# Allegro board buddy_lay_rev1.brd (continued)
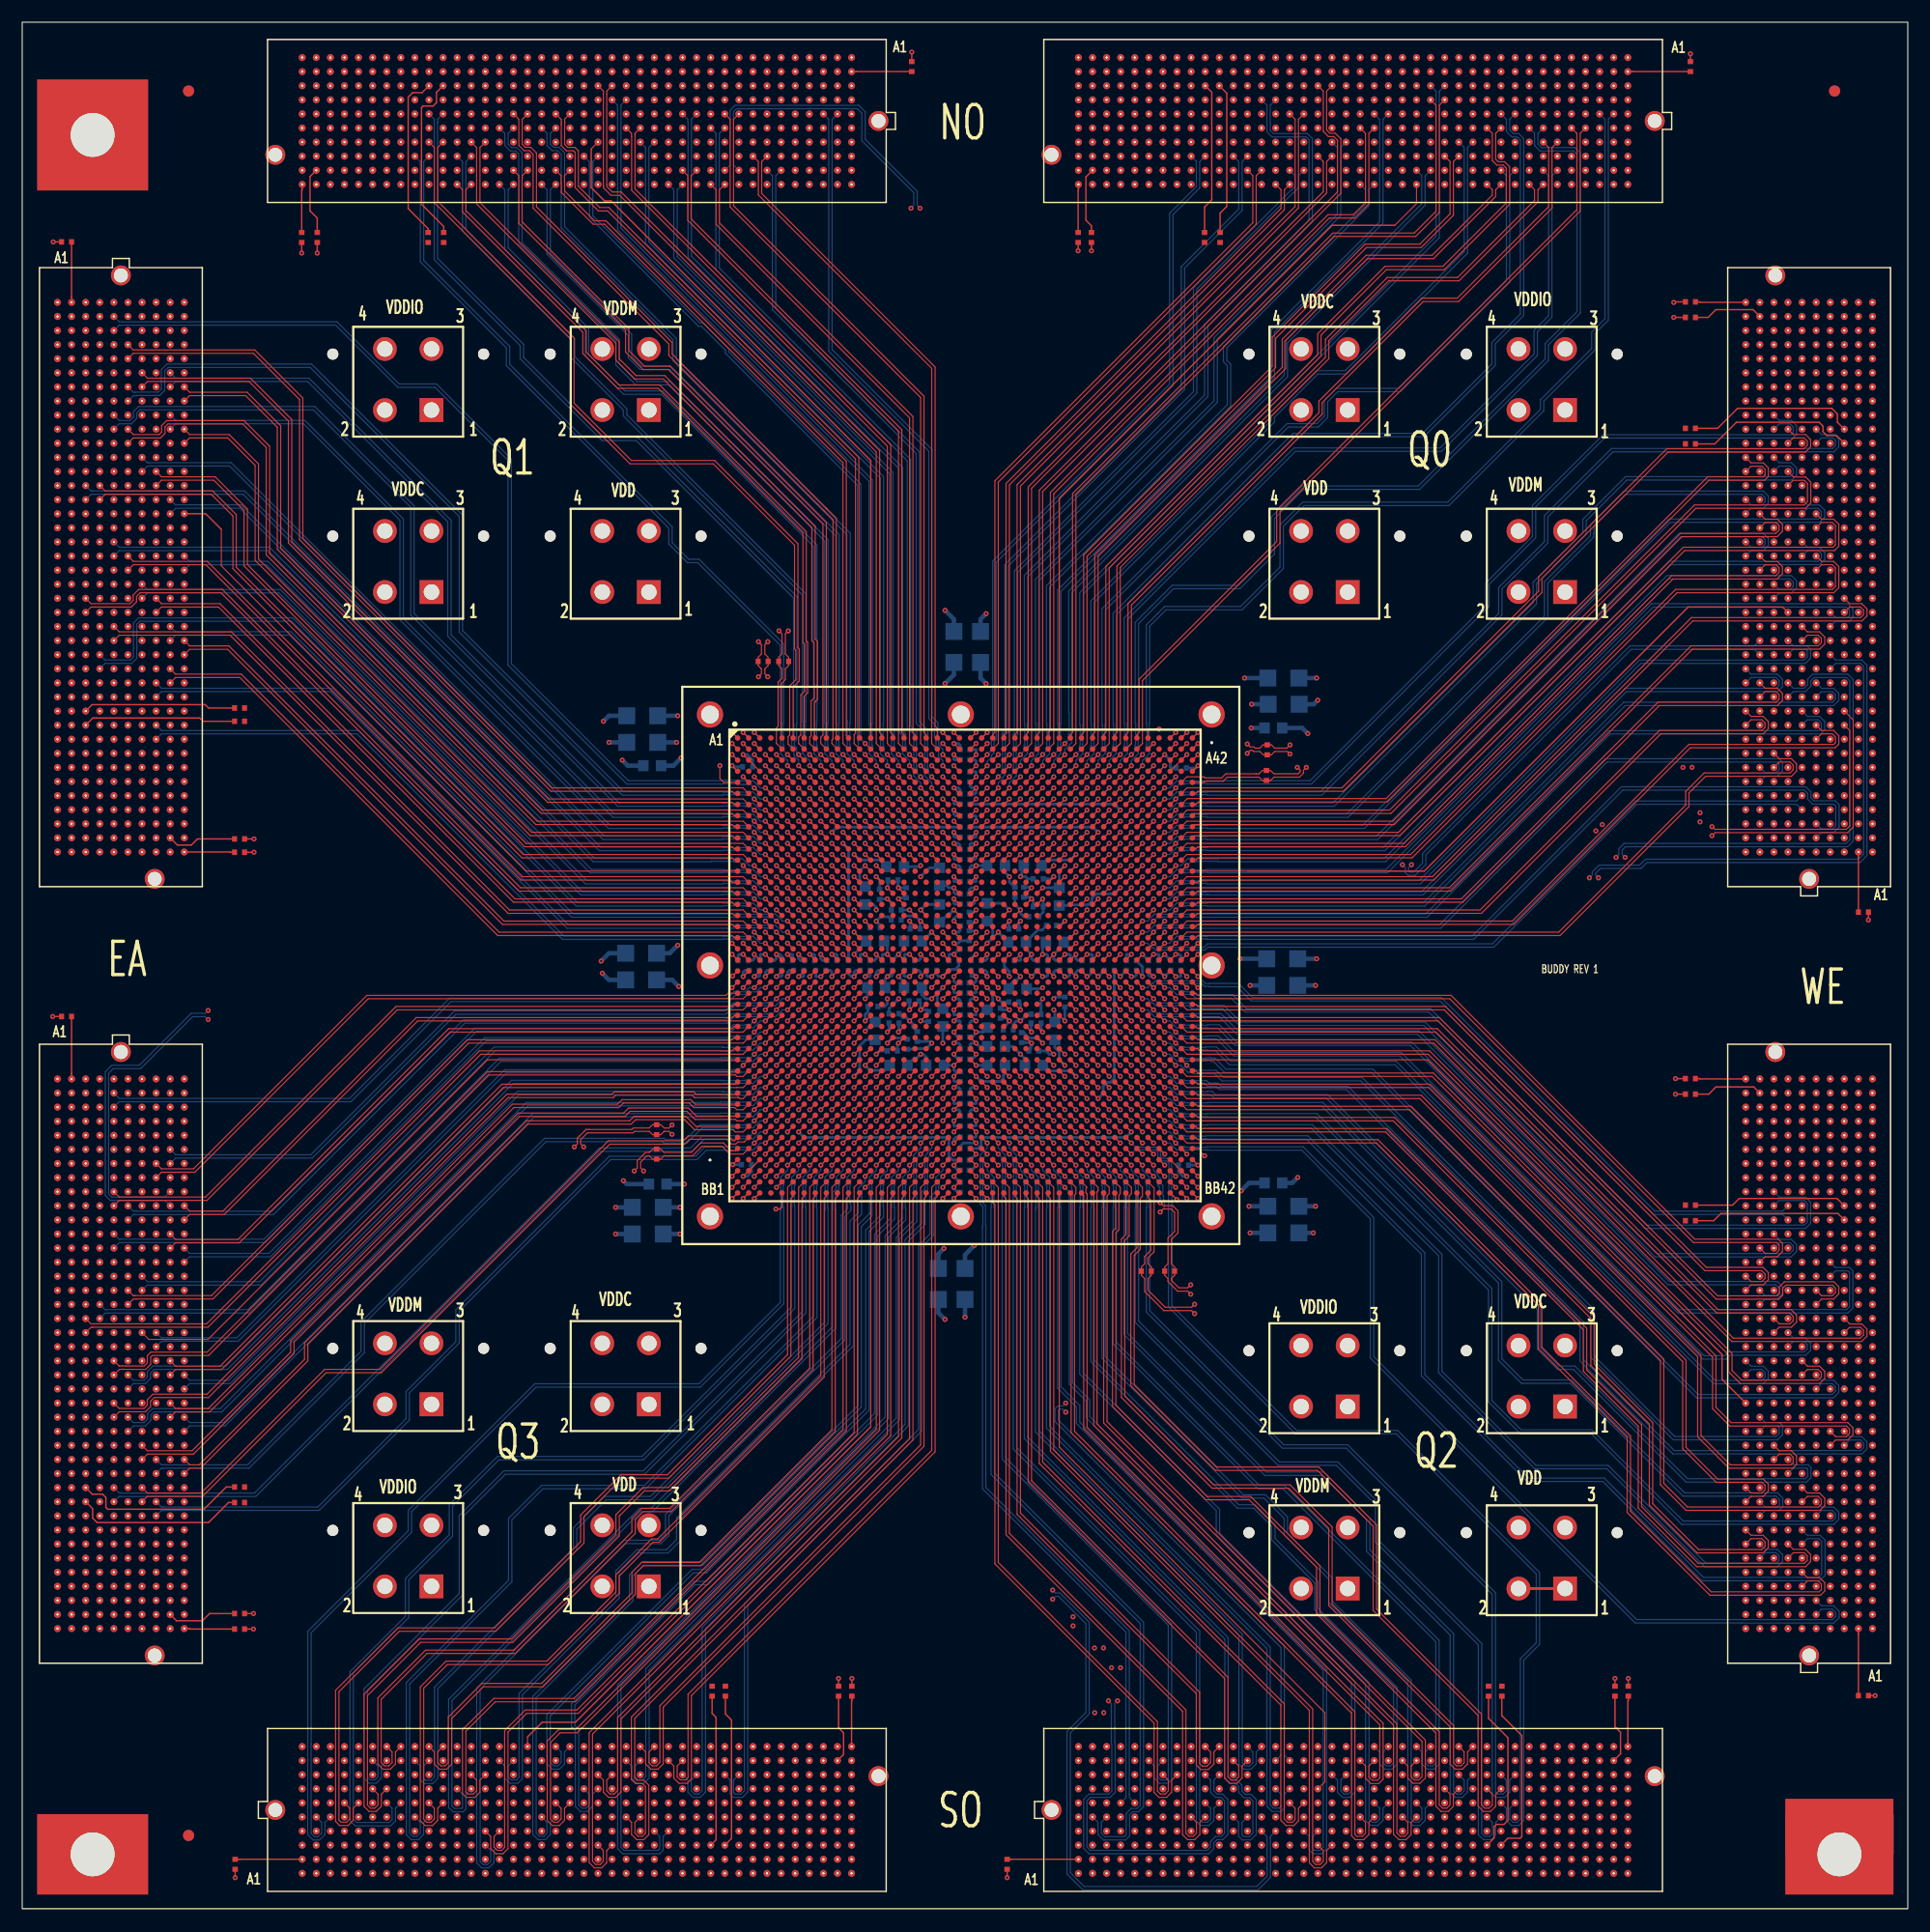
[diagram p0: board, top side]
## Routing (per net, layer and track width the routed paths; a pad name or vN(x,y) marks a point on that pad's centre or on a via; arc(x,y) is an arc through that point) (continued)
  GND_L4 w0.254: 26.51,9.06 J6.F2 ; J6.F2 26.51,10.01 ; J6.F2 26.04,9.54 ; J6.F2 26.99,9.54 ; 114.06,118.65 J15.2 ; J15.2 116.54,118.65 ; J15.2 115.3,119.89 ; J15.2 115.3,117.41 ; 73.5,14.62 73.98,14.62 ; 73.5,14.62 73.5,15.09 ; 73.5,14.62 73.5,14.14 ; 73.5,14.62 73.03,14.62 ; J3.F21 160.94,120.63 ; J3.F21 159.99,120.63 ; J3.F21 160.47,120.15 ; J3.F21 160.47,121.1 ; 166.81,28.58 J4.A4 ; J4.A4 167.29,29.05 ; J4.A4 166.34,29.05 ; J4.A4 166.81,29.53 ; 44.29,6.52 J6.D16 ; J6.D16 44.77,7 ; J6.D16 43.82,7 ; J6.D16 44.29,7.47 ; J8.F9 10.01,134.6 ; J8.F9 9.54,134.12 ; J8.F9 9.06,134.6 ; J8.F9 9.54,135.07 ; 164.28,94.75 J3.C1 ; J3.C1 163.8,95.23 ; J3.C1 164.75,95.23 ; J3.C1 164.28,95.7 ; J8.H3 12.07,142.69 ; J8.H3 12.55,142.22 ; J8.H3 11.6,142.22 ; J8.H3 12.07,141.74 ; 127.77,14.62 128.25,14.62 ; 128.25,14.62 128.72,14.62 ; 128.25,14.62 128.25,14.14 ; 128.25,14.62 128.25,15.09 ; J2.G29 109.2,159.67 ; J2.G29 109.2,158.72 ; J2.G29 108.72,159.19 ; J2.G29 109.67,159.19 ; 33.66,3.19 34.13,3.19 ; 34.13,3.19 34.13,2.71 ; 34.13,3.19 34.13,3.66 ; 34.13,3.19 34.61,3.19 ; 166.34,65.88 J4.A33 ; J4.A33 166.81,66.36 ; J4.A33 166.81,65.41 ; J4.A33 167.29,65.88 ; J24.2 136.14,28.85 ; J24.2 134.9,30.09 ; J24.2 133.66,28.85 ; J24.2 134.9,27.61 ; J3.K30 155.86,132.06 ; J3.K30 155.38,132.53 ; J3.K30 154.91,132.06 ; J3.K30 155.38,131.58 ; 165.54,126.5 J3.B26 ; J3.B26 166.02,126.98 ; J3.B26 165.54,127.45 ; J3.B26 165.07,126.98 ; 135.39,12.07 J5.H33 ; J5.H33 135.87,11.6 ; J5.H33 135.87,12.55 ; J5.H33 136.34,12.07 ; J5.K12 109.2,15.09 ; J5.K12 109.2,14.14 ; J5.K12 109.67,14.62 ; J5.K12 108.72,14.62 ; J3.J35 157.13,138.41 ; J3.J35 156.66,137.93 ; J3.J35 156.66,138.88 ; J3.J35 156.18,138.41 ; J4.D3 163.48,27.78 ; J4.D3 163,27.31 ; J4.D3 162.53,27.78 ; J4.D3 163,28.26 ; 67.15,165.07 J1.B7 ; J1.B7 67.63,165.54 ; J1.B7 67.15,166.02 ; J1.B7 66.68,165.54 ; 140.47,156.66 J2.J4 ; J2.J4 140.95,157.13 ; J2.J4 140.95,156.18 ; J2.J4 141.42,156.66 ; 114.28,3.19 114.75,3.19 ; 114.28,3.19 114.28,2.71 ; 114.28,3.19 114.28,3.66 ; 114.28,3.19 113.8,3.19 ; J3.J14 157.13,111.74 ; J3.J14 156.18,111.74 ; J3.J14 156.66,112.21 ; J3.J14 156.66,111.26 ; J2.G20 121.1,159.19 ; J2.G20 120.63,158.72 ; J2.G20 120.15,159.19 ; J2.G20 120.63,159.67 ; J7.J17 13.35,54.93 ; J7.J17 12.87,54.45 ; J7.J17 13.35,53.98 ; J7.J17 13.82,54.45 ; 55.25,166.81 J1.A16 ; J1.A16 56.2,166.81 ; J1.A16 55.72,167.29 ; J1.A16 55.72,166.34 ; J4.B18 165.54,47.31 ; J4.B18 165.07,46.83 ; J4.B18 166.02,46.83 ; J4.B18 165.54,46.36 ; J7.H21 12.07,49.85 ; J7.H21 12.07,48.9 ; J7.H21 11.6,49.37 ; J7.H21 12.55,49.37 ; J4.K9 155.38,35.88 ; J4.K9 155.38,34.93 ; J4.K9 155.86,35.4 ; J4.K9 154.91,35.4 ; 13.35,144.76 13.82,144.76 ; 13.35,144.76 13.35,144.28 ; 13.35,144.76 12.87,144.76 ; 13.35,144.76 13.35,145.23 ; 49.37,3.19 49.85,3.19 ; 49.37,3.19 48.9,3.19 ; 49.37,3.19 49.37,3.66 ; 49.37,3.19 49.37,2.71 ; 29.05,10.8 29.53,10.8 ; 29.05,10.8 29.05,10.33 ; 29.05,10.8 29.05,11.28 ; 29.05,10.8 28.58,10.8 ; 125.71,3.19 126.18,3.19 ; 125.71,3.19 125.71,3.66 ; 125.71,3.19 125.23,3.19 ; 125.71,3.19 125.71,2.71 ; 5.72,34.93 J7.C32 ; J7.C32 5.25,35.4 ; J7.C32 5.72,35.88 ; J7.C32 6.2,35.4 ; 65.88,14.14 65.88,14.62 ; 65.88,14.62 65.88,15.09 ; 65.88,14.62 65.41,14.62 ; 65.88,14.62 66.36,14.62 ; 45.56,157.45 J1.H24 ; J1.H24 45.09,157.93 ; J1.H24 45.56,158.4 ; J1.H24 46.04,157.93 ; 14.14,56.99 J7.K15 ; J7.K15 14.62,57.47 ; J7.K15 14.62,56.52 ; J7.K15 15.09,56.99 ; 97.29,12.07 J5.H3 ; J5.H3 98.24,12.07 ; J5.H3 97.77,11.6 ; J5.H3 97.77,12.55 ; 116.82,9.06 J5.F18 ; J5.F18 117.29,9.54 ; J5.F18 116.82,10.01 ; J5.F18 116.34,9.54 ; J4.K33 155.38,66.36 ; J4.K33 155.86,65.88 ; J4.K33 155.38,65.41 ; J4.K33 154.91,65.88 ; 4.46,141.74 J8.B3 ; J8.B3 4.46,142.69 ; J8.B3 4.93,142.22 ; J8.B3 3.98,142.22 ; 163.8,60.8 J4.C29 ; J4.C29 164.28,60.33 ; J4.C29 164.28,61.28 ; J4.C29 164.75,60.8 ; 120.15,161.74 120.63,161.74 ; 120.63,161.74 120.63,161.26 ; 120.63,161.74 120.63,162.21 ; 120.63,161.74 121.1,161.74 ; J5.B23 123.64,4.46 ; J5.B23 123.17,4.93 ; J5.B23 123.17,3.98 ; J5.B23 122.69,4.46 ; 4.46,101.1 4.46,101.58 ; 4.46,101.58 3.98,101.58 ; 4.46,101.58 4.46,102.05 ; 4.46,101.58 4.93,101.58 ; 73.5,12.07 73.5,12.55 ; 73.5,12.07 73.98,12.07 ; 73.5,12.07 73.5,11.6 ; 73.5,12.07 73.03,12.07 ; J2.B7 137.61,165.54 ; J2.B7 136.66,165.54 ; J2.B7 137.14,165.07 ; J2.B7 137.14,166.02 ; J4.B10 166.02,36.67 ; J4.B10 165.54,37.15 ; J4.B10 165.07,36.67 ; J4.B10 165.54,36.2 ; J3.C38 164.75,142.22 ; J3.C38 164.28,142.69 ; J3.C38 164.28,141.74 ; J3.C38 163.8,142.22 ; 27.78,9.06 J6.F3 ; J6.F3 27.31,9.54 ; J6.F3 28.26,9.54 ; J6.F3 27.78,10.01 ; 166.34,54.45 J4.A24 ; J4.A24 166.81,54.93 ; J4.A24 167.29,54.45 ; J4.A24 166.81,53.98 ; J6.B7 32.86,4.93 ; J6.B7 33.34,4.46 ; J6.B7 32.39,4.46 ; J6.B7 32.86,3.98 ; 101.58,158.72 J2.G35 ; J2.G35 102.05,159.19 ; J2.G35 101.1,159.19 ; J2.G35 101.58,159.67 ; 45.56,166.34 J1.A24 ; J1.A24 45.56,167.29 ; J1.A24 45.09,166.81 ; J1.A24 46.04,166.81 ; J3.H27 157.93,128.72 ; J3.H27 157.45,128.25 ; J3.H27 157.93,127.77 ; J3.H27 158.4,128.25 ; J6.J32 65.09,13.35 ; J6.J32 64.61,13.82 ; J6.J32 64.14,13.35 ; J6.J32 64.61,12.87 ; J8.H33 12.07,104.59 ; J8.H33 12.07,103.64 ; J8.H33 11.6,104.12 ; J8.H33 12.55,104.12 ; 155.38,127.77 J3.K27 ; J3.K27 155.86,128.25 ; J3.K27 154.91,128.25 ; J3.K27 155.38,128.72 ; 157.93,139.2 J3.H36 ; J3.H36 158.4,139.68 ; J3.H36 157.93,140.15 ; J3.H36 157.45,139.68 ; 8.27,140.95 8.74,140.95 ; 8.27,140.95 8.27,140.47 ; 8.27,140.95 8.27,141.42 ; 8.27,140.95 7.79,140.95 ; J7.J26 13.35,43.5 ; J7.J26 13.82,43.02 ; J7.J26 12.87,43.02 ; J7.J26 13.35,42.55 ; J3.H39 157.93,143.96 ; J3.H39 157.93,143.01 ; J3.H39 157.45,143.49 ; J3.H39 158.4,143.49 ; 3.19,54.45 3.66,54.45 ; 3.19,54.45 2.71,54.45 ; 3.19,54.45 3.19,54.93 ; 3.19,54.45 3.19,53.98 ; J2.A32 105.86,166.81 ; J2.A32 105.39,167.29 ; J2.A32 104.91,166.81 ; J2.A32 105.39,166.34 ; 161.26,56.99 161.74,56.99 ; 161.74,56.99 161.74,57.47 ; 161.74,56.99 161.74,56.52 ; 161.74,56.99 162.21,56.99 ; 166.81,120.15 J3.A21 ; J3.A21 167.29,120.63 ; J3.A21 166.81,121.1 ; J3.A21 166.34,120.63 ; J8.D2 7.47,143.49 ; J8.D2 7,143.96 ; J8.D2 6.52,143.49 ; J8.D2 7,143.01 ; J5.B26 126.98,4.93 ; J5.B26 127.45,4.46 ; J5.B26 126.98,3.98 ; J5.B26 126.5,4.46 ; J4.G8 159.67,34.13 ; J4.G8 159.19,34.61 ; J4.G8 158.72,34.13 ; J4.G8 159.19,33.66 ; 14.62,29.85 14.62,30.32 ; 14.62,30.32 14.62,30.8 ; 14.62,30.32 15.09,30.32 ; 14.62,30.32 14.14,30.32 ; 5.72,70.96 5.72,71.44 ; 5.72,70.96 5.72,70.49 ; 5.72,70.96 6.2,70.96 ; 5.72,70.96 5.25,70.96 ; 120.63,2.71 120.63,3.19 ; 120.63,3.19 120.15,3.19 ; 120.63,3.19 120.63,3.66 ; 120.63,3.19 121.1,3.19 ; J2.F24 115.55,160.94 ; J2.F24 115.07,160.47 ; J2.F24 116.02,160.47 ; J2.F24 115.55,159.99 ; 144.28,156.66 J2.J1 ; J2.J1 145.23,156.66 ; J2.J1 144.76,156.18 ; J2.J1 144.76,157.13 ; J1.A9 65.09,166.81 ; J1.A9 64.14,166.81 ; J1.A9 64.61,167.29 ; J1.A9 64.61,166.34 ; 39.21,161.26 39.21,161.74 ; 39.21,161.74 38.74,161.74 ; 39.21,161.74 39.21,162.21 ; 39.21,161.74 39.69,161.74 ; 42.55,165.54 J1.B26 ; J1.B26 43.5,165.54 ; J1.B26 43.02,166.02 ; J1.B26 43.02,165.07 ; J5.G35 138.88,10.8 ; J5.G35 138.41,10.33 ; J5.G35 137.93,10.8 ; J5.G35 138.41,11.28 ; J4.F18 160.47,47.31 ; J4.F18 159.99,46.83 ; J4.F18 160.47,46.36 ; J4.F18 160.94,46.83 ; 116.34,159.19 J2.G23 ; J2.G23 116.82,158.72 ; J2.G23 116.82,159.67 ; J2.G23 117.29,159.19 ; 165.07,142.22 J3.B38 ; J3.B38 165.54,141.74 ; J3.B38 166.02,142.22 ; J3.B38 165.54,142.69 ; 25.24,13.35 25.72,13.35 ; 25.24,13.35 24.77,13.35 ; 25.24,13.35 25.24,13.82 ; 25.24,13.35 25.24,12.87 ; J3.A33 167.29,135.87 ; J3.A33 166.34,135.87 ; J3.A33 166.81,135.39 ; J3.A33 166.81,136.34 ; 126.5,10.8 J5.G26 ; J5.G26 127.45,10.8 ; J5.G26 126.98,11.28 ; J5.G26 126.98,10.33 ; 2.71,49.37 3.19,49.37 ; 3.19,49.37 3.66,49.37 ; 3.19,49.37 3.19,48.9 ; 3.19,49.37 3.19,49.85 ; J3.D10 163,107.13 ; J3.D10 163,106.18 ; J3.D10 162.53,106.66 ; J3.D10 163.48,106.66 ; J3.B14 166.02,111.74 ; J3.B14 165.54,111.26 ; J3.B14 165.07,111.74 ; J3.B14 165.54,112.21 ; 103.64,13.35 104.12,13.35 ; 104.12,13.35 104.12,12.87 ; 104.12,13.35 104.12,13.82 ; 104.12,13.35 104.59,13.35 ; J4.H33 158.4,65.88 ; J4.H33 157.93,65.41 ; J4.H33 157.45,65.88 ; J4.H33 157.93,66.36 ; 5.25,139.68 5.72,139.68 ; 5.72,139.68 5.72,139.2 ; 5.72,139.68 5.72,140.15 ; 5.72,139.68 6.2,139.68 ; 134.9,133.81 J14.2 ; J14.2 136.14,135.05 ; J14.2 134.9,136.29 ; J14.2 133.66,135.05 ; 5.72,114.28 5.72,114.75 ; 5.72,114.28 5.25,114.28 ; 5.72,114.28 6.2,114.28 ; 5.72,114.28 5.72,113.8 ; 52.71,10.8 J6.G23 ; J6.G23 53.18,11.28 ; J6.G23 53.66,10.8 ; J6.G23 53.18,10.33 ; 3.19,45.56 3.66,45.56 ; 3.19,45.56 2.71,45.56 ; 3.19,45.56 3.19,45.09 ; 3.19,45.56 3.19,46.04 ; 165.54,61.6 J4.B30 ; J4.B30 165.54,62.55 ; J4.B30 166.02,62.07 ; J4.B30 165.07,62.07 ; 115.07,164.28 J2.C24 ; J2.C24 115.55,164.75 ; J2.C24 116.02,164.28 ; J2.C24 115.55,163.8 ; J8.G20 10.8,121.1 ; J8.G20 10.8,120.15 ; J8.G20 10.33,120.63 ; J8.G20 11.28,120.63 ; 161.26,64.61 161.74,64.61 ; 161.74,64.61 161.74,65.09 ; 161.74,64.61 161.74,64.14 ; 161.74,64.61 162.21,64.61 ; 46.36,4.46 J6.B18 ; J6.B18 47.31,4.46 ; J6.B18 46.83,3.98 ; J6.B18 46.83,4.93 ; J2.D2 143.96,163 ; J2.D2 143.49,162.53 ; J2.D2 143.01,163 ; J2.D2 143.49,163.48 ; 159.19,141.74 J3.G38 ; J3.G38 158.72,142.22 ; J3.G38 159.67,142.22 ; J3.G38 159.19,142.69 ; J1.C40 25.72,164.28 ; J1.C40 25.24,164.75 ; J1.C40 24.77,164.28 ; J1.C40 25.24,163.8 ; 99.04,13.35 99.51,13.35 ; 99.04,13.35 99.04,12.87 ; 99.04,13.35 98.56,13.35 ; 99.04,13.35 99.04,13.82 ; 3.19,28.58 J7.A37 ; J7.A37 3.19,29.53 ; J7.A37 3.66,29.05 ; J7.A37 2.71,29.05 ; 32.7,27.81 J19.2 ; J19.2 33.94,29.05 ; J19.2 32.7,30.29 ; J19.2 31.46,29.05 ; 50.64,9.06 J6.F21 ; J6.F21 50.17,9.54 ; J6.F21 51.12,9.54 ; J6.F21 50.64,10.01 ; J7.F27 10.01,41.75 ; J7.F27 9.54,42.23 ; J7.F27 9.06,41.75 ; J7.F27 9.54,41.28 ; 12.87,35.4 J7.J32 ; J7.J32 13.35,35.88 ; J7.J32 13.82,35.4 ; J7.J32 13.35,34.93 ; J2.K30 108.4,155.38 ; J2.K30 107.93,154.91 ; J2.K30 107.45,155.38 ; J2.K30 107.93,155.86 ; 99.83,166.81 J2.A36 ; J2.A36 100.31,167.29 ; J2.A36 100.31,166.34 ; J2.A36 100.78,166.81 ; J23.1 120.74,28.85 ; J23.1 119.5,30.09 ; J23.1 119.5,27.61 ; J23.1 118.26,28.85 ; 3.98,68.42 J7.B6 ; J7.B6 4.46,68.9 ; J7.B6 4.46,67.95 ; J7.B6 4.93,68.42 ; J8.K21 15.09,119.36 ; J8.K21 14.14,119.36 ; J8.K21 14.62,118.88 ; J8.K21 14.62,119.83 ; 104.12,10.8 104.59,10.8 ; 104.12,10.8 103.64,10.8 ; 104.12,10.8 104.12,10.33 ; 104.12,10.8 104.12,11.28 ; 161.74,119.36 162.21,119.36 ; 161.74,119.36 161.74,119.83 ; 161.74,119.36 161.26,119.36 ; 161.74,119.36 161.74,118.88 ; 96.5,3.98 J5.B2 ; J5.B2 96.97,4.46 ; J5.B2 96.5,4.93 ; J5.B2 96.02,4.46 ; 139.1,117.41 J16.1 ; J16.1 137.86,118.65 ; J16.1 139.1,119.89 ; J16.1 140.34,118.65 ; 2.71,135.87 3.19,135.87 ; 3.19,135.87 3.19,136.34 ; 3.19,135.87 3.66,135.87 ; 3.19,135.87 3.19,135.39 ; 154.91,109.2 J3.K12 ; J3.K12 155.86,109.2 ; J3.K12 155.38,109.67 ; J3.K12 155.38,108.72 ; 29.05,13.35 29.05,13.82 ; 29.05,13.35 28.58,13.35 ; 29.05,13.35 29.53,13.35 ; 29.05,13.35 29.05,12.87 ; 117.61,7 J5.D19 ; J5.D19 118.56,7 ; J5.D19 118.09,6.52 ; J5.D19 118.09,7.47 ; 5.25,119.36 5.72,119.36 ; 5.72,119.36 6.2,119.36 ; 5.72,119.36 5.72,118.88 ; 5.72,119.36 5.72,119.83 ; 54.45,3.19 54.45,3.66 ; 54.45,3.19 54.93,3.19 ; 54.45,3.19 54.45,2.71 ; 54.45,3.19 53.98,3.19 ; 116.34,165.54 J2.B23 ; J2.B23 116.82,165.07 ; J2.B23 116.82,166.02 ; J2.B23 117.29,165.54 ; J1.B38 28.26,165.54 ; J1.B38 27.78,166.02 ; J1.B38 27.31,165.54 ; J1.B38 27.78,165.07 ; J8.D22 7.47,118.09 ; J8.D22 7,117.61 ; J8.D22 6.52,118.09 ; J8.D22 7,118.56 ; 144.76,7.79 J5.E40 ; J5.E40 144.28,8.27 ; J5.E40 144.76,8.74 ; J5.E40 145.23,8.27 ; 4.46,96.5 4.46,96.97 ; 4.46,96.5 4.93,96.5 ; 4.46,96.5 4.46,96.02 ; 4.46,96.5 3.98,96.5 ; 74.3,10.8 J6.G40 ; J6.G40 74.77,10.33 ; J6.G40 74.77,11.28 ; J6.G40 75.25,10.8 ; 165.07,138.41 J3.B35 ; J3.B35 165.54,137.93 ; J3.B35 166.02,138.41 ; J3.B35 165.54,138.88 ; J5.A37 140.95,3.66 ; J5.A37 141.42,3.19 ; J5.A37 140.95,2.71 ; J5.A37 140.47,3.19 ; 159.99,143.49 J3.F39 ; J3.F39 160.47,143.01 ; J3.F39 160.47,143.96 ; J3.F39 160.94,143.49 ; 95.23,2.71 95.23,3.19 ; 95.23,3.19 95.23,3.66 ; 95.23,3.19 94.75,3.19 ; 95.23,3.19 95.7,3.19 ; J7.G29 11.28,39.21 ; J7.G29 10.8,39.69 ; J7.G29 10.8,38.74 ; J7.G29 10.33,39.21 ; 34.13,13.35 34.13,13.82 ; 34.13,13.35 33.66,13.35 ; 34.13,13.35 34.13,12.87 ; 34.13,13.35 34.61,13.35 ; 163.8,74.77 J4.C40 ; J4.C40 164.28,75.25 ; J4.C40 164.28,74.3 ; J4.C40 164.75,74.77 ; 3.19,65.88 3.19,66.36 ; 3.19,65.88 3.66,65.88 ; 3.19,65.88 2.71,65.88 ; 3.19,65.88 3.19,65.41 ; J2.A16 126.18,166.81 ; J2.A16 125.23,166.81 ; J2.A16 125.71,166.34 ; J2.A16 125.71,167.29 ; 156.66,99.83 J3.J5 ; J3.J5 156.18,100.31 ; J3.J5 157.13,100.31 ; J3.J5 156.66,100.78 ; 118.09,3.98 J5.B19 ; J5.B19 118.09,4.93 ; J5.B19 118.56,4.46 ; J5.B19 117.61,4.46 ; 157.93,26.04 J4.H2 ; J4.H2 158.4,26.51 ; J4.H2 157.93,26.99 ; J4.H2 157.45,26.51 ; J2.A1 145.23,166.81 ; J2.A1 144.76,167.29 ; J2.A1 144.76,166.34 ; J2.A1 144.28,166.81 ; 10.8,123.96 J8.G17 ; J8.G17 10.8,124.91 ; J8.G17 11.28,124.44 ; J8.G17 10.33,124.44 ; 119.5,117.41 J15.1 ; J15.1 119.5,119.89 ; J15.1 118.26,118.65 ; J15.1 120.74,118.65 ; J3.F9 160.94,105.39 ; J3.F9 160.47,105.86 ; J3.F9 159.99,105.39 ; J3.F9 160.47,104.91 ; 165.07,118.09 J3.B19 ; J3.B19 166.02,118.09 ; J3.B19 165.54,117.61 ; J3.B19 165.54,118.56 ; 28.58,5.72 29.05,5.72 ; 29.05,5.72 29.05,6.2 ; 29.05,5.72 29.05,5.25 ; 29.05,5.72 29.53,5.72 ; 12.07,71.76 J7.H3 ; J7.H3 11.6,72.23 ; J7.H3 12.07,72.71 ; J7.H3 12.55,72.23 ; J1.J4 70.96,157.13 ; J1.J4 70.96,156.18 ; J1.J4 71.44,156.66 ; J1.J4 70.49,156.66 ; 109.2,5.25 109.2,5.72 ; 109.2,5.72 108.72,5.72 ; 109.2,5.72 109.2,6.2 ; 109.2,5.72 109.67,5.72 ; 157.93,34.93 J4.H9 ; J4.H9 158.4,35.4 ; J4.H9 157.45,35.4 ; J4.H9 157.93,35.88 ; 120.63,14.14 J5.K21 ; J5.K21 120.63,15.09 ; J5.K21 121.1,14.62 ; J5.K21 120.15,14.62 ; J3.B11 166.02,107.93 ; J3.B11 165.54,108.4 ; J3.B11 165.54,107.45 ; J3.B11 165.07,107.93 ; J5.A36 139.68,3.66 ; J5.A36 139.68,2.71 ; J5.A36 140.15,3.19 ; J5.A36 139.2,3.19 ; 26.04,163 J1.D39 ; J1.D39 26.51,163.48 ; J1.D39 26.99,163 ; J1.D39 26.51,162.53 ; J3.F27 160.47,128.72 ; J3.F27 160.94,128.25 ; J3.F27 159.99,128.25 ; J3.F27 160.47,127.77 ; J7.F6 10.01,68.42 ; J7.F6 9.06,68.42 ; J7.F6 9.54,67.95 ; J7.F6 9.54,68.9 ; 3.19,40.48 3.19,40.96 ; 3.19,40.48 3.19,40.01 ; 3.19,40.48 3.66,40.48 ; 3.19,40.48 2.71,40.48 ; 139.68,5.25 J5.C36 ; J5.C36 139.2,5.72 ; J5.C36 140.15,5.72 ; J5.C36 139.68,6.2 ; 34.13,7.79 34.13,8.27 ; 34.13,8.27 34.61,8.27 ; 34.13,8.27 34.13,8.74 ; 34.13,8.27 33.66,8.27 ; J5.H36 140.15,12.07 ; J5.H36 139.68,11.6 ; J5.H36 139.68,12.55 ; J5.H36 139.2,12.07 ; 114.06,135.05 J13.2 ; J13.2 115.3,133.81 ; J13.2 115.3,136.29 ; J13.2 116.54,135.05 ; 10.33,135.87 10.8,135.87 ; 10.8,135.87 11.28,135.87 ; 10.8,135.87 10.8,135.39 ; 10.8,135.87 10.8,136.34 ; J2.D39 96.5,163.48 ; J2.D39 96.97,163 ; J2.D39 96.02,163 ; J2.D39 96.5,162.53 ; 161.74,45.56 162.21,45.56 ; 161.74,45.56 161.74,45.09 ; 161.74,45.56 161.26,45.56 ; 161.74,45.56 161.74,46.04 ; 8.27,74.3 8.27,74.77 ; 8.27,74.77 8.27,75.25 ; 8.27,74.77 7.79,74.77 ; 8.27,74.77 8.74,74.77 ; 8.27,69.22 8.27,69.69 ; 8.27,69.69 7.79,69.69 ; 8.27,69.69 8.27,70.17 ; 8.27,69.69 8.74,69.69 ; 5.25,120.63 5.72,120.63 ; 5.72,120.63 5.72,120.15 ; 5.72,120.63 5.72,121.1 ; 5.72,120.63 6.2,120.63 ; 111.26,155.38 J2.K27 ; J2.K27 111.74,155.86 ; J2.K27 112.21,155.38 ; J2.K27 111.74,154.91 ; J5.C28 129.99,5.72 ; J5.C28 129.52,5.25 ; J5.C28 129.52,6.2 ; J5.C28 129.04,5.72 ; 161.26,60.8 161.74,60.8 ; 161.74,60.8 162.21,60.8 ; 161.74,60.8 161.74,60.33 ; 161.74,60.8 161.74,61.28 ; J2.A29 109.2,167.29 ; J2.A29 109.67,166.81 ; J2.A29 109.2,166.34 ; J2.A29 108.72,166.81 ; 62.07,156.18 J1.J11 ; J1.J11 62.55,156.66 ; J1.J11 61.6,156.66 ; J1.J11 62.07,157.13 ; 14.62,73.03 J7.K2 ; J7.K2 14.62,73.98 ; J7.K2 14.14,73.5 ; J7.K2 15.09,73.5 ; 6.52,48.1 J7.D22 ; J7.D22 7.47,48.1 ; J7.D22 7,48.58 ; J7.D22 7,47.63 ; J1.F39 26.51,160.94 ; J1.F39 26.99,160.47 ; J1.F39 26.04,160.47 ; J1.F39 26.51,159.99 ; 64.61,154.91 J1.K9 ; J1.K9 65.09,155.38 ; J1.K9 64.14,155.38 ; J1.K9 64.61,155.86 ; 158.72,126.98 J3.G26 ; J3.G26 159.19,126.5 ; J3.G26 159.19,127.45 ; J3.G26 159.67,126.98 ; J3.F24 160.47,124.91 ; J3.F24 159.99,124.44 ; J3.F24 160.94,124.44 ; J3.F24 160.47,123.96 ; 69.69,9.54 69.69,10.01 ; 69.69,9.54 69.69,9.06 ; 69.69,9.54 70.17,9.54 ; 69.69,9.54 69.22,9.54 ; J3.B27 166.02,128.25 ; J3.B27 165.54,127.77 ; J3.B27 165.07,128.25 ; J3.B27 165.54,128.72 ; J5.B14 111.74,4.93 ; J5.B14 112.21,4.46 ; J5.B14 111.26,4.46 ; J5.B14 111.74,3.98 ; J3.A13 166.81,110.94 ; J3.A13 166.81,109.99 ; J3.A13 167.29,110.47 ; J3.A13 166.34,110.47 ; 3.19,115.55 3.66,115.55 ; 3.19,115.55 3.19,116.02 ; 3.19,115.55 3.19,115.07 ; 3.19,115.55 2.71,115.55 ; 57.79,9.54 58.26,9.54 ; 58.26,9.54 58.26,9.06 ; 58.26,9.54 58.26,10.01 ; 58.26,9.54 58.74,9.54 ; 158.72,30.32 J4.G5 ; J4.G5 159.19,30.8 ; J4.G5 159.19,29.85 ; J4.G5 159.67,30.32 ; J1.B34 33.34,165.54 ; J1.B34 32.86,165.07 ; J1.B34 32.39,165.54 ; J1.B34 32.86,166.02 ; 103.64,166.81 J2.A33 ; J2.A33 104.12,167.29 ; J2.A33 104.12,166.34 ; J2.A33 104.59,166.81 ; 113.01,14.14 J5.K15 ; J5.K15 112.53,14.62 ; J5.K15 113.48,14.62 ; J5.K15 113.01,15.09 ; 140.47,159.19 J2.G4 ; J2.G4 140.95,159.67 ; J2.G4 141.42,159.19 ; J2.G4 140.95,158.72 ; 3.19,119.36 3.19,119.83 ; 3.19,119.36 2.71,119.36 ; 3.19,119.36 3.66,119.36 ; 3.19,119.36 3.19,118.88 ; 133.66,118.65 J16.2 ; J16.2 134.9,119.89 ; J16.2 136.14,118.65 ; J16.2 134.9,117.41 ; J1.B11 62.07,166.02 ; J1.B11 61.6,165.54 ; J1.B11 62.55,165.54 ; J1.B11 62.07,165.07 ; 155.38,112.53 J3.K15 ; J3.K15 154.91,113.01 ; J3.K15 155.86,113.01 ; J3.K15 155.38,113.48 ; J5.C32 135.07,5.72 ; J5.C32 134.12,5.72 ; J5.C32 134.6,6.2 ; J5.C32 134.6,5.25 ; J4.G40 159.67,74.77 ; J4.G40 158.72,74.77 ; J4.G40 159.19,74.3 ; J4.G40 159.19,75.25 ; J2.F18 123.17,160.94 ; J2.F18 122.69,160.47 ; J2.F18 123.64,160.47 ; J2.F18 123.17,159.99 ; J5.A33 135.87,3.66 ; J5.A33 135.87,2.71 ; J5.A33 135.39,3.19 ; J5.A33 136.34,3.19 ; 140.47,164.28 J2.C4 ; J2.C4 140.95,163.8 ; J2.C4 140.95,164.75 ; J2.C4 141.42,164.28 ; J2.F12 130.79,160.94 ; J2.F12 130.31,160.47 ; J2.F12 131.26,160.47 ; J2.F12 130.79,159.99 ; 166.34,114.28 J3.A16 ; J3.A16 166.81,114.75 ; J3.A16 166.81,113.8 ; J3.A16 167.29,114.28 ; 3.19,94.75 J8.A40 ; J8.A40 3.66,95.23 ; J8.A40 2.71,95.23 ; J8.A40 3.19,95.7 ; 13.35,127.77 J8.J14 ; J8.J14 13.35,128.72 ; J8.J14 13.82,128.25 ; J8.J14 12.87,128.25 ; 37.47,165.54 J1.B30 ; J1.B30 37.94,165.07 ; J1.B30 38.42,165.54 ; J1.B30 37.94,166.02 ; J1.C38 28.26,164.28 ; J1.C38 27.78,163.8 ; J1.C38 27.78,164.75 ; J1.C38 27.31,164.28 ; 5.72,39.21 6.2,39.21 ; 5.72,39.21 5.25,39.21 ; 5.72,39.21 5.72,38.74 ; 5.72,39.21 5.72,39.69 ; J8.G26 11.28,113.01 ; J8.G26 10.8,112.53 ; J8.G26 10.8,113.48 ; J8.G26 10.33,113.01 ; 31.12,4.46 J6.B6 ; J6.B6 31.59,4.93 ; J6.B6 32.07,4.46 ; J6.B6 31.59,3.98 ; J1.G32 35.4,159.67 ; J1.G32 35.4,158.72 ; J1.G32 34.93,159.19 ; J1.G32 35.88,159.19 ; 161.74,49.37 161.74,49.85 ; 161.74,49.37 162.21,49.37 ; 161.74,49.37 161.74,48.9 ; 161.74,49.37 161.26,49.37 ; 9.54,115.07 J8.F24 ; J8.F24 9.06,115.55 ; J8.F24 10.01,115.55 ; J8.F24 9.54,116.02 ; 46.36,165.54 J1.B23 ; J1.B23 46.83,166.02 ; J1.B23 47.31,165.54 ; J1.B23 46.83,165.07 ; 5.72,74.77 6.2,74.77 ; 5.72,74.77 5.72,74.3 ; 5.72,74.77 5.25,74.77 ; 5.72,74.77 5.72,75.25 ; J4.A8 166.81,34.61 ; J4.A8 167.29,34.13 ; J4.A8 166.81,33.66 ; J4.A8 166.34,34.13 ; 5.72,49.37 5.72,49.85 ; 5.72,49.37 6.2,49.37 ; 5.72,49.37 5.72,48.9 ; 5.72,49.37 5.25,49.37 ; 12.07,115.07 J8.H24 ; J8.H24 11.6,115.55 ; J8.H24 12.55,115.55 ; J8.H24 12.07,116.02 ; J3.F15 160.47,113.48 ; J3.F15 160.47,112.53 ; J3.F15 160.94,113.01 ; J3.F15 159.99,113.01 ; 5.72,64.61 6.2,64.61 ; 5.72,64.61 5.25,64.61 ; 5.72,64.61 5.72,64.14 ; 5.72,64.61 5.72,65.09 ; 68.42,162.53 J1.D6 ; J1.D6 67.95,163 ; J1.D6 68.42,163.48 ; J1.D6 68.9,163 ; J8.E40 8.74,95.23 ; J8.E40 8.27,94.75 ; J8.E40 7.79,95.23 ; J8.E40 8.27,95.7 ; 97.29,156.66 J2.J38 ; J2.J38 97.77,157.13 ; J2.J38 97.77,156.18 ; J2.J38 98.24,156.66 ; J8.B31 4.93,106.66 ; J8.B31 4.46,107.13 ; J8.B31 4.46,106.18 